# Altium PCB UmSELv1.PcbDoc (part 1 of 2) (continued)
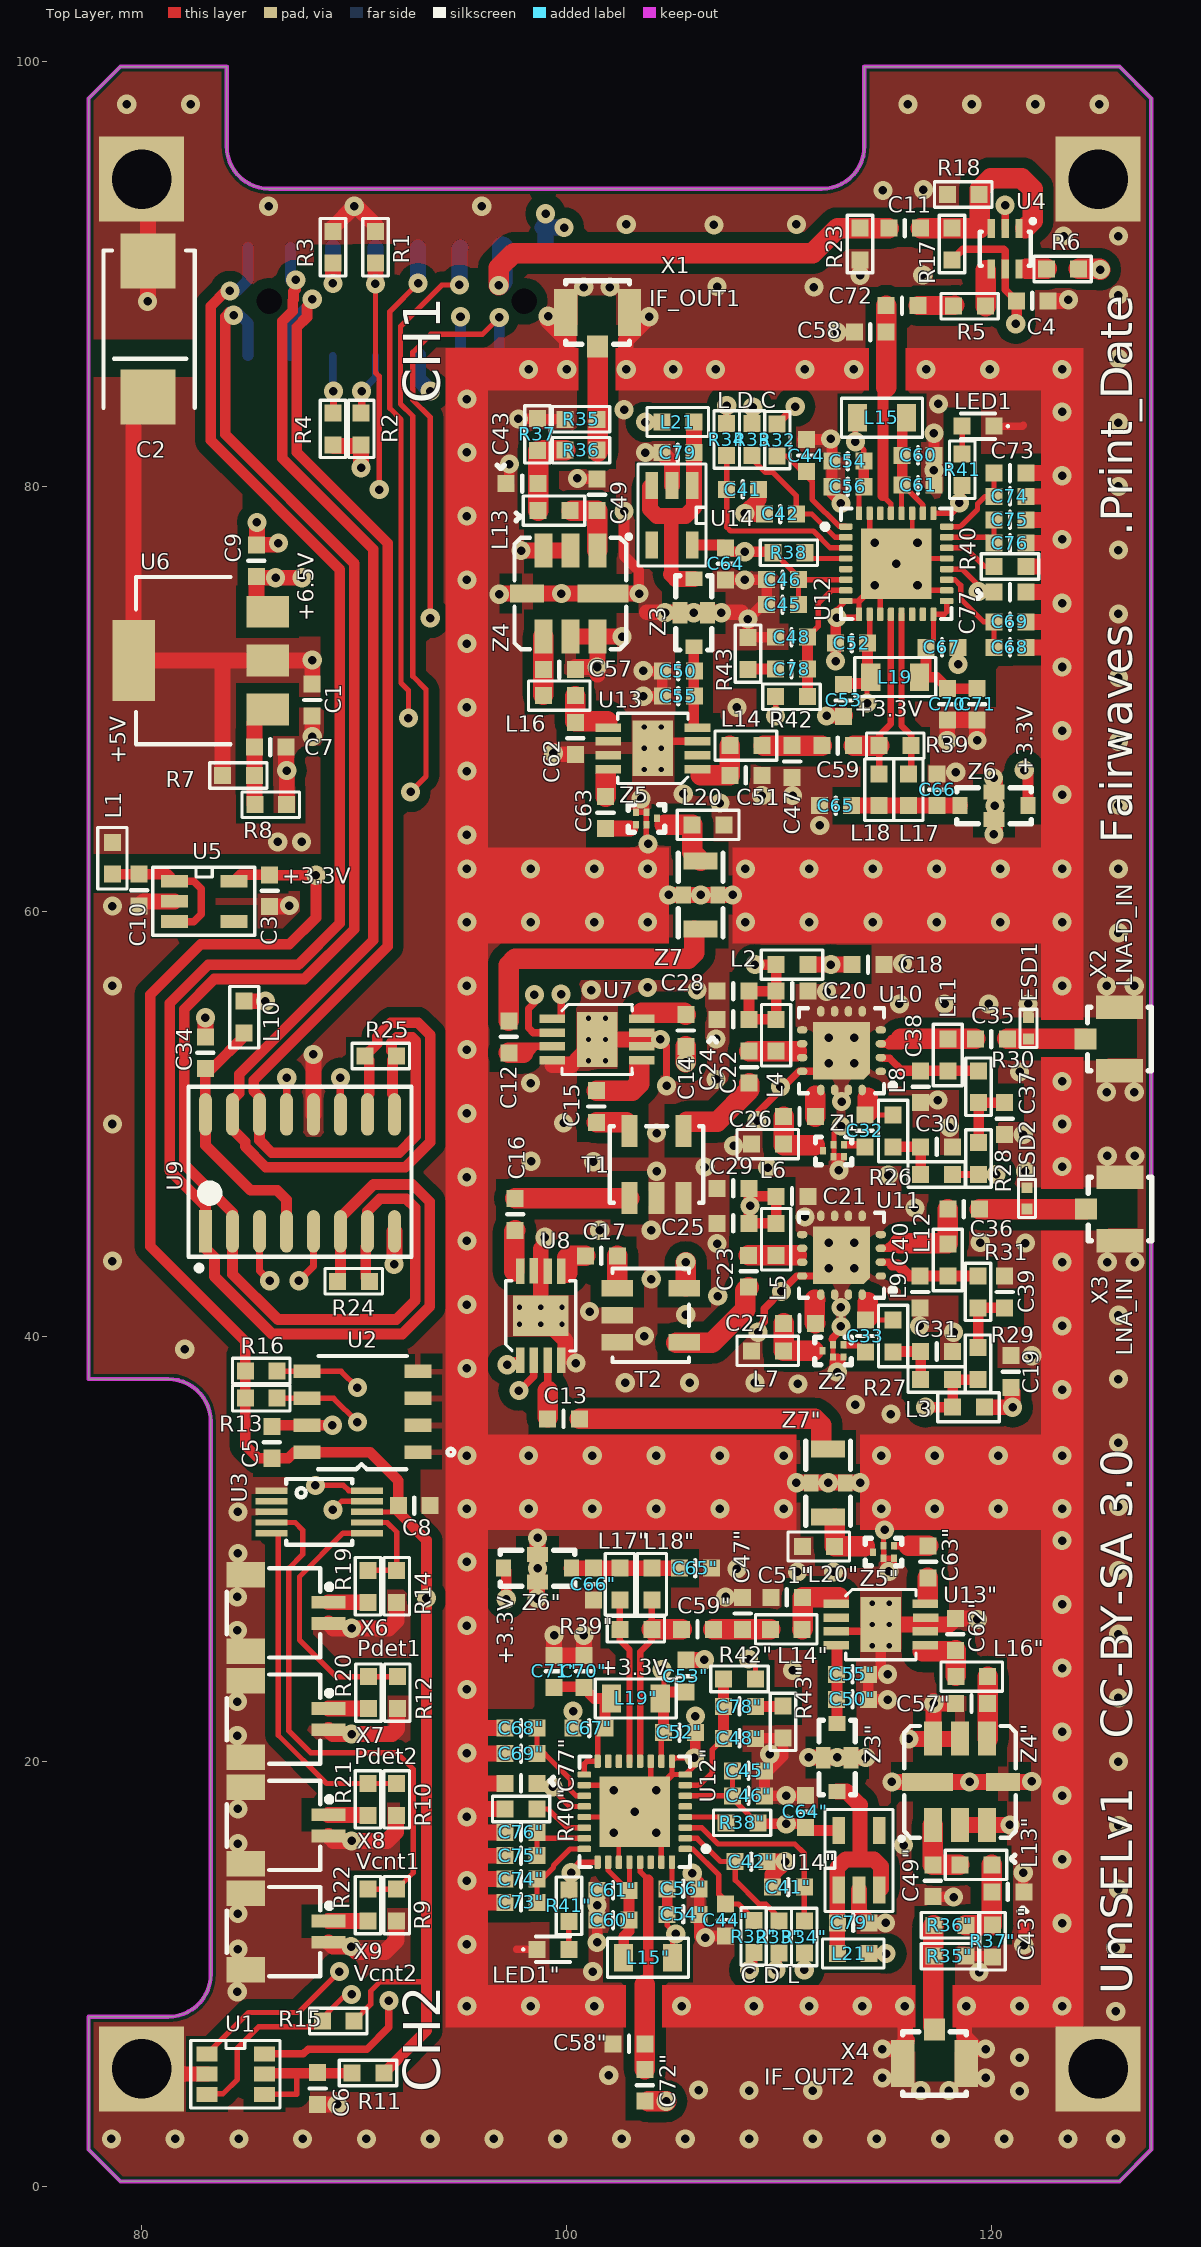
[diagram p0: Top Layer view]
## Components (designator, comment, footprint, x,y, rotation, side; value= is the part's Value field where it differs from the comment)
C1 "0.1" C0603-Phillips 88.025,69.95 r90 top
C2 "100uF" cd7343 80.3,87.4 r270 top
C3 "1uF" C0603-Phillips 86.025,60.975 r90 top
C4 "0.1" C0603-Phillips 121.9,88.725 r180 top
C5 "0.1" C0603-Phillips 86.125,35.025 r270 top
C6 "0.1" C0603-Phillips 88.275,4.625 r90 top
C7 "0.01" C0603-Phillips 86.05,67.725 r180 top
C8 "0.1" C0603-Phillips 92.825,32.05 r0 top
C9 "1uF" C0603-Phillips 85.4,76.5 r270 top
C10 "1uF" C0603-Phillips 79.875,61 r90 top
C11 "0.01" C0603-Phillips 115.9,92.15 r0 top
C12 "47p" C0603-PHILLIPS 97.275,54.1 r270 top
C13 "47p" C0603-PHILLIPS 99.85,36.125 r180 top
C14 "47p" C0603-PHILLIPS 105.6,54.4 r270 top
C15 "47p" C0603-PHILLIPS 101.4,50.825 r270 top
C16 "47p" C0603-PHILLIPS 97.575,45.75 r90 top
C17 "47p" C0603-PHILLIPS 101.625,43.8 r0 top
C18 "0.1" C0603-Phillips 114.175,57.5 r180 top
C19 "0.1" C0603-Phillips 120.9,38.35 r270 top
C20 "47p" C0603-PHILLIPS 110.6,56.25 r180 top
C21 "47p" C0603-PHILLIPS 110.6,46.6 r180 top
C22 "47p" C0603-PHILLIPS 108.575,52.675 r90 top
C23 "47p" C0603-PHILLIPS 108.55,43.075 r90 top
C24 "0.1" C0603-Phillips 107.825,54.925 r0 top
C25 "0.1" C0603-Phillips 107.825,45.325 r0 top
C26 "47p" C0603-PHILLIPS 110.95,50.35 r180 top
C27 "47p" C0603-PHILLIPS 110.95,40.625 r180 top
C28 "4.7uF" C0603-Phillips 107.825,56.25 r0 top
C29 "4.7uF" C0603-Phillips 107.825,46.975 r0 top
C30 "47p" C0603-PHILLIPS 117.4,48.925 r0 top
C31 "47p" C0603-PHILLIPS 117.4,39.3 r0 top
C32 "47p" C0603-PHILLIPS 114.025,49.675 r90 top
C33 "47p" C0603-PHILLIPS 114.05,40.025 r90 top
C34 "0.1" C0603-Phillips 83,53.35 r270 top
C35 "47p" C0603-PHILLIPS 119.975,54 r0 top
C36 "47p" C0603-PHILLIPS 118.675,46 r0 top
C37 "4.7uF" C0603-Phillips 120.6,50.25 r270 top
C38 "4.7uF" C0603-PHILLIPS 116.65,51.75 r270 top
C39 "4.7uF" C0603-Phillips 120.6,42.1 r90 top
C40 "4.7uF" C0603-PHILLIPS 116.625,42.1 r270 top
C41 "10p" C0603-Phillips 108.275,79.85 r180 top
"C41\"" "10p" C0603-Phillips 110.425,14.1 r0 top (schematic designator C41)
C42 "10p" C0603-Phillips 110.05,78.7 r0 top
"C42\"" "10p" C0603-Phillips 108.675,15.3 r180 top (schematic designator C42)
C43 "3.3pF" C0603-Phillips 97.9,80.13 r0 top
"C43\"" "3.3pF" C0603-Phillips 120.75,13.87 r180 top (schematic designator C43)
C44 "10p" C0603-Phillips 111.275,81.45 r270 top
"C44\"" "10p" C0603-Phillips 107.475,12.55 r90 top (schematic designator C44)
C45 "0.1" C0603-Phillips 110.15,74.43 r0 top
"C45\"" "0.1" C0603-Phillips 108.55,19.57 r180 top (schematic designator C45)
C46 "10p" C0603-Phillips 110.15,75.605 r0 top
"C46\"" "10p" C0603-Phillips 108.55,18.395 r180 top (schematic designator C46)
C47 "9.1p" C0603-Phillips 110.6,67.05 r270 top
"C47\"" "9.1p" C0603-Phillips 108.275,26.975 r90 top (schematic designator C47)
C48 "3300p" C0603-Phillips 110.575,72.905 r0 top
"C48\"" "3300p" C0603-Phillips 108.125,21.095 r180 top (schematic designator C48)
C49 "??" C0603-Phillips 101.425,79.605 r270 top
"C49\"" "??" C0603-Phillips 117.225,14.4 r90 top (schematic designator C49)
C50 "1000p" C0603-Phillips 105.25,71.305 r180 top
"C50\"" "1000p" C0603-Phillips 113.44,22.935 r0 top (schematic designator C50)
C51 "9.1p" C0603-Phillips 108.425,66.4 r0 top
"C51\"" "9.1p" C0603-Phillips 110.35,27.725 r180 top (schematic designator C51)
C52 "10p" C0603-Phillips 113.4,72.625 r180 top
"C52\"" "10p" C0603-Phillips 105.3,21.375 r0 top (schematic designator C52)
C53 "0.1" C0603-Phillips 113.025,69.925 r270 top
"C53\"" "0.1" C0603-Phillips 105.6,24.025 r90 top (schematic designator C53)
C54 "0.1" C0603-Phillips 113.225,81.18 r180 top
"C54\"" "0.1" C0603-Phillips 105.475,12.82 r0 top (schematic designator C54)
C55 "47p" C0603-Phillips 105.25,70.13 r180 top
"C55\"" "47p" C0603-Phillips 113.44,24.11 r0 top (schematic designator C55)
C56 "10p" C0603-Phillips 113.225,79.98 r180 top
"C56\"" "10p" C0603-Phillips 105.475,14.02 r0 top (schematic designator C56)
C57 "??" C0603-Phillips 99.65,71.375 r180 top
"C57\"" "??" C0603-Phillips 119.04,22.74 r0 top (schematic designator C57)
C58 "47p" C0603-Phillips 114.275,87.25 r0 top
"C58\"" "47p" C0603-Phillips 102.925,6.725 r0 top (schematic designator C58)
C59 "100p" C0603-Phillips 112.75,67.8 r180 top
"C59\"" "100p" C0603-Phillips 106.15,26.225 r0 top (schematic designator C59)
C60 "0.1" C0603-Phillips 116.525,81.455 r0 top
"C60\"" "0.1" C0603-Phillips 102.175,12.545 r180 top (schematic designator C60)
C61 "10p" C0603-Phillips 116.525,80.055 r0 top
"C61\"" "10p" C0603-Phillips 102.175,13.945 r180 top (schematic designator C61)
C62 "3.3pF" C0603-Phillips 100.4,68.145 r90 top
"C62\"" "3.3pF" C0603-Phillips 118.29,25.99 r270 top (schematic designator C62)
C63 "47p" C0603-Phillips 101.825,64.65 r270 top
"C63\"" "47p" C0603-Phillips 117,29.4 r90 top (schematic designator C63)
C64 "1uF" C0603-Phillips 107.475,76.35 r90 top
"C64\"" "1uF" C0603-Phillips 111.225,17.65 r270 top (schematic designator C64)
C65 "100p" C0603-Phillips 112.65,64.975 r180 top
"C65\"" "100p" C0603-Phillips 106.05,29.1 r0 top (schematic designator C65)
C66 "0.1" C0603-Phillips 117.425,65.725 r270 top
"C66\"" "0.1" C0603-Phillips 101.25,28.35 r90 top (schematic designator C66)
C67 "10p" C0603-Phillips 117.65,72.425 r0 top
"C67\"" "10p" C0603-Phillips 101.05,21.575 r180 top (schematic designator C67)
C68 "10p" C0603-Phillips 120.85,72.425 r180 top
"C68\"" "10p" C0603-Phillips 97.85,21.575 r0 top (schematic designator C68)
C69 "0.1" C0603-Phillips 120.85,73.625 r180 top
"C69\"" "0.1" C0603-Phillips 97.85,20.375 r0 top (schematic designator C69)
C70 "0.1" C0603-Phillips 117.9,69.75 r270 top
"C70\"" "0.1" C0603-Phillips 100.8,24.25 r90 top (schematic designator C70)
C71 "1uF" C0603-Phillips 119.3,69.75 r90 top
"C71\"" "1uF" C0603-Phillips 99.4,24.25 r270 top (schematic designator C71)
C72 "1000p" C0603-Phillips 115.775,88.5 r0 top
"C72\"" "1000p" C0603-Phillips 103.675,4.775 r270 top (schematic designator C72)
C73 "0.1" C0603-Phillips 120.85,80.625 r0 top
"C73\"" "0.1" C0603-Phillips 97.85,13.375 r180 top (schematic designator C73)
C74 "10p" C0603-Phillips 120.85,79.525 r0 top
"C74\"" "10p" C0603-Phillips 97.85,14.475 r180 top (schematic designator C74)
C75 "0.1" C0603-Phillips 120.85,78.425 r0 top
"C75\"" "0.1" C0603-Phillips 97.85,15.575 r180 top (schematic designator C75)
C76 "10p" C0603-Phillips 120.85,77.325 r0 top
"C76\"" "10p" C0603-Phillips 97.85,16.675 r180 top (schematic designator C76)
C77 "1500p" C0603-Phillips 120.85,75.025 r0 top
"C77\"" "1500p" C0603-Phillips 97.85,18.975 r180 top (schematic designator C77)
C78 "0.047uF" C0603-Phillips 110.575,71.405 r0 top
"C78\"" "0.047uF" C0603-Phillips 108.125,22.595 r180 top (schematic designator C78)
C79 "1uF" C0603-Phillips 105.225,81.584 r0 top
"C79\"" "1uF" C0603-Phillips 113.475,12.416 r180 top (schematic designator C79)
ESD1 "SESD0402X1BN-0010-098" R0402-Phillips 121.725,54.5 r270 top
ESD2 "SESD0402X1BN-0010-098" R0402-Phillips 121.65,46.5 r270 top
L1 "TI160808U601" Ti160808-Phillips 78.625,62.5 r270 top
L2 "TI160808U601" Ti160808-Phillips 110.6,57.5 r180 top
L3 "TI160808U601" Ti160808-Phillips 118.9,36.675 r180 top
L4 "39nH" TF160808-Phillips 109.85,54.175 r270 top
L5 "39nH" TF160808-Phillips 109.85,44.575 r270 top
L6 "??" TF160808-Phillips 109.45,49.05 r180 top
L7 "??" TF160808-Phillips 109.45,39.325 r180 top
L8 "39nH" TF160808-Phillips 115.35,49.675 r90 top
L9 "39nH" TF160808-Phillips 115.35,40.025 r90 top
L10 "TI160808U601" Ti160808-Phillips 84.825,55.025 r90 top
L11 "18nH" TF160808-Phillips 117.925,53.25 r90 top
L12 "18nH" TF160808-Phillips 117.925,43.6 r90 top
L13 "82nH" TF160808-Phillips 99.4,78.855 r0 top
"L13\"" "82nH" TF160808-Phillips 119.25,15.145 r180 top (schematic designator L13)
L14 "12nH" TF160808-Phillips 108.425,67.8 r0 top
"L14\"" "12nH" TF160808-Phillips 110.325,26.225 r180 top (schematic designator L14)
L15 "TI201209U601" TI2012-Phillips 114.825,83.225 r0 top
"L15\"" "TI201209U601" TI2012-Phillips 103.825,10.775 r180 top (schematic designator L15)
L16 "82nH" TF160808-Phillips 99.65,70.15 r0 top
"L16\"" "82nH" TF160808-Phillips 119.05,24 r180 top (schematic designator L16)
L17 "82nH" TF160808-Phillips 116.075,65.725 r270 top
"L17\"" "82nH" TF160808-Phillips 102.5,28.35 r90 top (schematic designator L17)
L18 "82nH" TF160808-Phillips 114.7,65.725 r270 top
"L18\"" "82nH" TF160808-Phillips 104,28.35 r90 top (schematic designator L18)
L19 "TI201209U601" TI2012-Phillips 115.45,71.025 r0 top
"L19\"" "TI201209U601" TI2012-Phillips 103.25,22.975 r180 top (schematic designator L19)
L20 "??" TF160808-Phillips 106.65,64.075 r0 top
"L20\"" "??" TF160808-Phillips 111.85,30.125 r180 top (schematic designator L20)
L21 "TI160808U601" Ti160808-Phillips 105.225,83.025 r0 top
"L21\"" "TI160808U601" Ti160808-Phillips 113.475,10.975 r180 top (schematic designator L21)
LED1 "LS Q976-NR-1" LED-0603y 119.35,82.83 r180 top
"LED1\"" "LS Q976-NR-1" LED-0603y 99.35,11.17 r0 top (schematic designator LED1)
R1 "10k" R0603-PHILLIPS 91,91.25 r270 top
R2 "10k" R0603-PHILLIPS 90.325,82.7 r90 top
R3 "10k" R0603-PHILLIPS 89,91.25 r270 top
R4 "10k" R0603-PHILLIPS 89,82.7 r90 top
R5 "51" R0603-PHILLIPS 118.95,88.475 r0 top
R6 "51" R0603-PHILLIPS 123.325,90.225 r180 top
R7 "120" R0603-PHILLIPS 84.55,66.4 r0 top
R8 "360" R0603-PHILLIPS 86.075,65.025 r0 top
R9 "3k" R0603-PHILLIPS 92,13.25 r270 top
R10 "3k" R0603-PHILLIPS 92,18.225 r270 top
R11 "100" R0603-PHILLIPS 90.65,5.35 r0 top
R12 "3k" R0603-PHILLIPS 92.025,23.25 r270 top
R13 "1k" R0603-PHILLIPS 85.625,38.375 r0 top
R14 "3k" R0603-PHILLIPS 92,28.25 r270 top
R15 "1k" R0603-PHILLIPS 89.25,7.8 r0 top
R16 "1k" R0603-PHILLIPS 85.625,37.1 r0 top
R17 "10k" R0603-PHILLIPS 118.125,91.4 r90 top
R18 "10k" R0603-PHILLIPS 118.65,93.725 r180 top
R19 "27K" R0603-PHILLIPS 90.65,28.25 r270 top
R20 "27K" R0603-PHILLIPS 90.675,23.25 r270 top
R21 "27K" R0603-PHILLIPS 90.65,18.225 r270 top
R22 "27K" R0603-PHILLIPS 90.65,13.25 r270 top
R23 "51" R0603-PHILLIPS 113.8,91.4 r270 top
R24 "100" R0603-PHILLIPS 89.975,42.6 r180 top
R25 "100" R0603-PHILLIPS 91.25,53.2 r0 top
R26 "10" R0603-PHILLIPS 117.4,47.625 r0 top
R27 "10" R0603-PHILLIPS 117.4,37.975 r0 top
R28 "6k8" R0603-PHILLIPS 119.375,48.375 r90 top
R29 "6k8" R0603-PHILLIPS 119.35,38.725 r90 top
R30 "0" R0603-PHILLIPS 119.375,51.75 r270 top
R31 "0" R0603-PHILLIPS 119.35,42.1 r270 top
R32 "100" R0603-PHILLIPS 109.9,82.175 r270 top
"R32\"" "100" R0603-PHILLIPS 108.8,11.775 r90 top (schematic designator R32)
R33 "100" R0603-PHILLIPS 108.725,82.2 r270 top
"R33\"" "100" R0603-PHILLIPS 109.975,11.75 r90 top (schematic designator R33)
R34 "100" R0603-PHILLIPS 107.525,82.2 r270 top
"R34\"" "100" R0603-PHILLIPS 111.175,11.75 r90 top (schematic designator R34)
R35 "430" R0603-PHILLIPS 100.675,83.15 r0 top
"R35\"" "430" R0603-PHILLIPS 118.025,10.85 r180 top (schematic designator R35)
R36 "12" R0603-PHILLIPS 100.675,81.7 r180 top
"R36\"" "12" R0603-PHILLIPS 118.025,12.3 r0 top (schematic designator R36)
R37 "430" R0603-PHILLIPS 98.621,82.445 r270 top
"R37\"" "430" R0603-PHILLIPS 120.029,11.555 r90 top (schematic designator R37)
R38 "10k" R0603-PHILLIPS 110.45,76.875 r0 top
"R38\"" "10k" R0603-PHILLIPS 108.25,17.125 r180 top (schematic designator R38)
R39 "100" R0603-PHILLIPS 115.45,67.8 r0 top
"R39\"" "100" R0603-PHILLIPS 103.25,26.225 r180 top (schematic designator R39)
R40 "4k7" R0603-PHILLIPS 120.85,76.225 r0 top
"R40\"" "4k7" R0603-PHILLIPS 97.85,17.775 r180 top (schematic designator R40)
R41 "1k" R0603-PHILLIPS 118.6,80.78 r90 top
"R41\"" "1k" R0603-PHILLIPS 100.1,13.22 r270 top (schematic designator R41)
R42 "620" R0603-PHILLIPS 110.575,70.105 r180 top
"R42\"" "620" R0603-PHILLIPS 108.125,23.895 r0 top (schematic designator R42)
R43 "300" R0603-PHILLIPS 108.525,72.13 r90 top
"R43\"" "300" R0603-PHILLIPS 110.175,21.87 r270 top (schematic designator R43)
T1 "SBTC-2-20L" AT1030 104.225,48.1 r180 top
T2 "SBTC-2-20L" AT1030 103.95,41 r90 top
U1 "TMP102" PDSO-G6 84.425,5.3 r270 top
U2 "24LC024SN" SOIC8 90.395,36.46 r180 top
U3 "ADS1015" TSSOP-SPDSO-G10 88.35,31.75 r0 top
U4 "NC7WZ16P6X" SC70-6LD(SOT363) 120.625,91.175 r270 top
U5 "ADP151AUJZ-3.3" SOT-23-5[3.1x1.8/0.95] 82.925,60.475 r270 top
U6 "LD1117S" SOT-223-1 85.925,69.5 r90 top
U7 "HMC435MS8G" MS8G 101.425,53.975 r270 top
U8 "HMC435MS8G" MS8G 98.775,40.975 r0 top
U9 "DS90C032/FIN1532" SOIC16 87.45,47.7 r90 top
U10 "MGA13?16" "MGA13X16(GND NC LEGS)" 112.925,53.45 r180 top
U11 "MGA13?16" "MGA13X16(GND NC LEGS)" 112.925,43.825 r180 top
U12 "ADF4350BCPZ" CP-32-2 115.5,76.355 r0 top
"U12\"" "ADF4350BCPZ" CP-32-2 103.2,17.645 r180 top (schematic designator U12)
U13 "HMC483_5MS8G" MS8G 104.05,67.675 r90 top
"U13\"" "HMC483_5MS8G" MS8G 114.775,26.45 r270 top (schematic designator U13)
U14 "ADP151AUJZ-3.3" SOT-23-5[3.1x1.8/0.95] 104.95,78.65 r180 top
"U14\"" "ADP151AUJZ-3.3" SOT-23-5[3.1x1.8/0.95] 113.75,15.35 r0 top (schematic designator U14)
X1 "1566230-1" U_FL 101.45,88.175 r90 top
X2 "1566230-1" U_FL 126,54 r0 top
X3 "1566230-1" U_FL 126.025,46 r0 top
X4 "1566230-1" U_FL 117.3,5.8 r270 top
X5 "NPPN082FFKP(S)-RC" NPPN082FFKP(S) 92,88.7 r0 bottom locked
X6 "SM02B-SRSS-TB" SM02B-SRSS-TB 86,27 r180 top
X7 "SM02B-SRSS-TB" SM02B-SRSS-TB 86,22 r180 top
X8 "SM02B-SRSS-TB" SM02B-SRSS-TB 86,17 r180 top
X9 "SM02B-SRSS-TB" SM02B-SRSS-TB 86,12 r180 top
Z1 "FAR-F5KA-897" SAW-1.4x1x0.5mm 112.55,48.737 r0 top
Z2 "FAR-F5KA-897" SAW-1.4x1x0.5mm 112.525,39.325 r0 top
Z3 "NFM3DCC223R1H3" NFM3DC 105.975,74.05 r90 top
"Z3\"" "NFM3DCC223R1H3" NFM3DC 112.715,20.19 r270 top (schematic designator Z3)
Z4 "TB0130A" DCC8_5x5 100.17,74.957 r270 top
"Z4\"" "TB0130A" DCC8_5x5 118.5,19.05 r90 top (schematic designator Z4)
Z5 "FAR-F5KA-897" SAW-1.4x1x0.5mm 103.75,64.375 r180 top
"Z5\"" "FAR-F5KA-897" SAW-1.4x1x0.5mm 114.9,29.862 r0 top (schematic designator Z5)
Z6 "NFM3DCC223R1H3" NFM3DC 120.1,64.975 r180 top
"Z6\"" "NFM3DCC223R1H3" NFM3DC 98.625,29.1 r0 top (schematic designator Z6)
Z7 "HFCN-740+" LFCN-HFCN 106.3,60.775 r270 top
"Z7\"" "HFCN-740+" LFCN-HFCN 112.3,33.1 r90 top (schematic designator Z7)

## Footprints (in the part's own frame and the unit in brackets; to place one, negate y for a bottom-side part, rotate by r counter-clockwise, add the part's x,y. Pads: shape width x height; smd on the part's side, far side on the other; paste and mask are expansions set on the pad)
AT1030 [mm] "MiniCircuits DBTC"
  rect 0.76x1.5 smd: 1(-1.27,1.575) 2(0,1.575) 3(1.27,1.575) 4(1.27,-1.575) 6(-1.27,-1.575)
  silkscreen extent -2.2,-1.8 2.2,1.8, body extent -2,-1.7 2,1.7, height 3
C0603-Phillips [mm]
  rect 0.8x0.8 smd: 1(-0.75,0) 2(0.75,0)
  silkscreen extent 0,-0.38 0,0.38, body extent -0.8,-0.4 0.8,0.4, height 0.3
C0603-PHILLIPS [mm]
  rect 0.8x0.8 smd: 1(-0.75,0) 2(0.75,0)
  silkscreen extent 0,-0.38 0,0.38, body extent -0.8,-0.4 0.8,0.4, height 0.3
cd7343 [mm]
  rect 2.6x2.6 smd: 1(3.2,0) 2(-3.2,0)
  silkscreen extent -3.7,-2.1 3.7,2.2, body extent -3.51,-2.04 3.5,2.03, height 3.1
CP-32-2 [mm] "QFN-32 VQ_LFCSP (Analog Devices)"
  rect 3.3x3.3 smd paste-2: 0(0,0)
  rrect50% 0.65x0.3 smd mask+0.05: 1(-2.375,1.75) 2(-2.375,1.25) 3(-2.375,0.75) 4(-2.375,0.25) 5(-2.375,-0.25) 6(-2.375,-0.75) 7(-2.375,-1.25) 8(-2.375,-1.75) 17(2.375,-1.75) 18(2.375,-1.25) 19(2.375,-0.75) 20(2.375,-0.25) 21(2.375,0.25) 22(2.375,0.75) 23(2.375,1.25) 24(2.375,1.75)
  rrect50% 0.3x0.65 smd mask+0.05: 9(-1.75,-2.375) 10(-1.25,-2.375) 11(-0.75,-2.375) 12(-0.25,-2.375) 13(0.25,-2.375) 14(0.75,-2.375) 15(1.25,-2.375) 16(1.75,-2.375) 25(1.75,2.375) 26(1.25,2.375) 27(0.75,2.375) 28(0.25,2.375) 29(-0.25,2.375) 30(-0.75,2.375) 31(-1.25,2.375) 32(-1.75,2.375)
  silkscreen extent -3.47,-2.6 2.6,2.6, body extent -2.55,-2.55 2.55,2.65, height 1.01
DCC8_5x5 [mm] "SAW"
  rect 1.6x0.84 smd: 1(-2.032,1.27) 2(-2.032,0) 3(-2.032,-1.27)
  rect 0.84x1.6 smd mask+0.1: 4(0,-2.032)
  rect 1.6x0.84 smd mask+0.1: 5(2.032,-1.27) 6(2.032,0) 7(2.032,1.27)
  rect 0.84x2.4 smd mask+0.1: 8(0,1.524)
  silkscreen extent -2.77,-2.63 2.62,2.85, body extent -2.51,-2.51 2.51,2.5, height 1.7
LED-0603y [mm] "жёлтый"
  rect 0.8x0.8 smd: 1(-0.75,0) 2(0.75,0)
  silkscreen extent -1.45,-0.6 0.8,0.6, body extent -1.09,-0.4 0.92,0.4, height 0.8
LFCN-HFCN [mm] "Фильтр электромагнитных помех"
  rect 0.8x1.6 smd: 1(-1.6,0) 3(1.6,0)
  rect 0.8x0.7 smd: 2(0,0.8) 2(0,-0.8)
  silkscreen extent -1.98,-1.05 1.98,1.05, body extent -1.6,-0.8 1.6,0.8, height 0.94
"MGA13X16(GND NC LEGS)" [mm] "QFN, 16-Leads, Body 4,0x4,0mm (SQ), Pitch 0,65mm, IPC High Density"
  oval 0.5x0.35 smd: 0(-1.85,-0.975) 0(-1.85,0.975) 0(1.85,-0.975) 0(1.85,0.975) 2(-1.85,0.325) 3(-1.85,-0.325) 10(1.85,-0.325) 11(1.85,0.325)
  oval 0.35x0.5 smd: 0(-0.975,-1.85) 0(-0.325,1.85) 0(-0.325,-1.85) 0(0.325,1.85) 0(0.325,-1.85) 0(0.975,-1.85) 13(0.975,1.85) 16(-0.975,1.85)
  oct 1.15x1.15 smd paste+0 mask+0: 0(-0.775,0.775)
  rect 2.7x2 smd paste+0 mask+0: 0(0,-0.35)
  rect 2x2.7 smd paste+0 mask+0: 0(0.35,0)
  silkscreen extent -2.54,-2 2,2, body extent -2,-2 2,2, height 0.86
MS8G [mm] "Hittite 8 Leg Grounded microSOIC"
  rect 2.6x1.9 smd paste-0.1 mask+0: 0(0,0)
  rect 0.4x1.2 smd mask+0.075: 1(-0.975,-2.1) 2(-0.325,-2.1) 3(0.325,-2.1) 4(0.975,-2.1) 5(0.975,2.1) 6(0.325,2.1) 7(-0.325,2.11) 8(-0.975,2.1)
  silkscreen extent -1.65,-1.65 1.65,1.65, body extent -1.5,-2.45 1.5,2.45, height 0.85
NFM3DC [mm] "Фильтр электромагнитных помех"
  rect 0.7x0.8 smd: 1(-1.6,0) 3(1.6,0)
  rect 1x0.7 smd: 2(0,0.65) 2(0,-0.65)
  silkscreen extent -1.75,-0.85 1.75,0.85, body extent -1.6,-0.7 1.6,0.7, height 0.55
NPPN082FFKP(S) [mm] "SMD 2mm female connector for SBH21 type"
  round 1 hole 1.2 unplated mask+0.15: 0(-6,0) 0(6,0)
  rect 1x2.54 smd: 1(-7,2.544) 2(-7,-2.544) 3(-5,2.544) 4(-5,-2.544) 5(-3,2.544) 6(-3,-2.544) 7(-1,2.544) 8(-1,-2.544) 9(1,2.544) 10(1,-2.544) 11(3,2.544) 12(3,-2.544) 13(5,2.544) 14(5,-2.544) 15(7,2.544) 16(7,-2.544)
  silkscreen extent -8.62,-4.03 8.13,4.03, body extent -8,-3.25 8,3.25, height 4.4
PDSO-G6 [mm]
  rect 0.7x1 smd mask+0.05: 1(-0.95,-1.35) 2(0,-1.35) 3(0.95,-1.35) 4(0.95,1.35) 5(0,1.35) 6(-0.95,1.35)
  silkscreen extent -1.59,-2.11 1.59,2.08, body extent -1.4,-1.2 1.39,1.23, height 1.09
R0402-Phillips [mm]
  rect 0.5x0.5 smd: 1(-0.5,0) 2(0.5,0)
  silkscreen extent -0.9,-0.4 0.9,0.4, body extent -0.5,-0.3 0.5,0.3, height 0.2
R0603-PHILLIPS [mm]
  rect 0.8x0.8 smd: 1(-0.75,0) 2(0.75,0)
  silkscreen extent -1.35,-0.6 1.35,0.6, body extent -0.8,-0.4 0.8,0.4, height 0.3
SAW-1.4x1x0.5mm [mm] "SAW/FBAR Filter"
  rect 0.28x0.35 smd paste+0 mask+0.05: 1(-0.5,0) 2(0,-0.288) 3(0.5,-0.288) 4(0.5,0.288) 5(0,0.288)
  silkscreen extent -0.85,-0.65 0.85,0.65, body extent -0.7,-0.5 0.7,0.5, height 0.51
SC70-6LD(SOT363) [mm]
  rect 0.9x0.35 smd: 1(-0.95,0.65) 2(-0.95,0) 3(-0.95,-0.65) 4(0.95,-0.65) 5(0.95,0) 6(0.95,0.65)
  silkscreen extent -1.4,-1.2 0.8,1.4, body extent -1.02,-1 1.08,1, height 0.92
SM02B-SRSS-TB [mm] "Connector SMD Side Entry"
  rect 1.8x1.2 smd: 0(1.1,1.8) 0(1.1,-1.8)
  rect 1.6x0.6 smd: 1(-2.8,-0.5) 2(-2.8,0.5)
  silkscreen extent -2.95,-2.1 2,2.1, body extent -3.09,-1.99 1.9,1.99, height 3
SOIC8 [mm]
  rect 1.27x0.64 smd: 1(-2.605,1.905) 2(-2.605,0.635) 3(-2.605,-0.635) 4(-2.605,-1.905) 5(2.605,-1.905) 6(2.605,-0.635) 7(2.605,0.635) 8(2.605,1.905)
  silkscreen extent -4.31,-2.63 2.1,2.7, body extent -2.84,-2.45 2.94,2.45, height 1.45
SOIC16 [mm] "SOIC, 16-Leads, Body 10.3x7.5mm, Pitch 1.27mm, IPC Medium Density"
  rect 2x0.6 smd: 1(-2.75,4.445)
  oval 2x0.6 smd: 2(-2.75,3.175) 3(-2.75,1.905) 4(-2.75,0.635) 5(-2.75,-0.635) 6(-2.75,-1.905) 7(-2.75,-3.175) 8(-2.75,-4.445) 9(2.75,-4.445) 10(2.75,-3.175) 11(2.75,-1.905) 12(2.75,-0.635) 13(2.75,0.635) 14(2.75,1.905) 15(2.75,3.175) 16(2.75,4.445)
  silkscreen extent -4.6,-5.25 4.05,5.25, body extent -2.9,-4.95 2.9,4.9, height 1.75
SOT-23-5[3.1x1.8/0.95] [mm] "SOT-25"
  rect 0.6x1.27 smd: 1(-0.949,-1.385) 2(0.001,-1.385) 3(0.951,-1.385) 4(0.951,1.409) 5(-0.949,1.409)
  silkscreen extent -1.6,-2.4 1.6,2.4, body extent -1.45,-1.4 1.45,1.4, height 1.04
SOT-223-1 [mm] "SOT223 на 3 пина"
  rect 1.5x2 smd: 1(0,0) 2(2.3,0) 3(4.6,0)
  rect 3.8x2 smd: 2(2.3,6.3)
  silkscreen extent -1.64,1.75 6.24,6.19, body extent -0.95,-0.2 5.55,6.7, height 1.6
TF160808-Phillips [mm]
  rect 0.8x0.8 smd: 1(-0.75,0) 2(0.75,0)
  silkscreen extent -1.45,-0.69 1.45,0.69, body extent -0.86,-0.45 0.85,0.45, height 0.9
TI2012-Phillips [mm]
  rect 0.9x1.3 smd: 1(-1.15,0) 2(1.15,0)
  silkscreen extent -1.91,-0.92 1.91,0.92, body extent -1.32,-0.69 1.23,0.67, height 1
Ti160808-Phillips [mm]
  rect 0.8x0.8 smd: 1(-0.75,0) 2(0.75,0)
  silkscreen extent -1.45,-0.69 1.45,0.69, body extent -0.86,-0.45 0.85,0.45, height 0.9
TSSOP-SPDSO-G10 [mm] "Plastic 0.5mm pitch SOP"
  rect 1.5x0.3 smd mask+0.05: 1(-2.25,1) 2(-2.25,0.5) 3(-2.25,0) 4(-2.25,-0.5) 5(-2.25,-1) 6(2.25,-1) 7(2.25,-0.5) 8(2.25,0) 9(2.25,0.5) 10(2.25,1)
  silkscreen extent -1.55,-1.55 1.55,1.55, body extent -2.5,-1.5 2.5,1.5, height 1.1
U_FL [mm] "Ultraminiature Coax Connector (UMCC)"
  rect 1.05x1 smd: 1(-1.6,0)
  rect 2.2x1.1 smd: 2(0,1.5) 2(0,-1.5)
  silkscreen extent -1.5,-1.5 1.5,1.5, body extent -1.55,-1.5 1.3,1.5, height 1.25

## Part data
C1 C3 C4 C5 C6 C7 C8 C9 C10 C11 C12 C13 C14 C15 C16 C17 C18 C19 C20 C21 C22 C23 C24 C25 C26 C27 C28 C29 C30 C31 C32 C33 C34 C35 C36 C37 C38 C39 C40 C41 "C41\"" C42 "C42\"" C43 "C43\"" C44 "C44\"" C45 "C45\"" C46 "C46\"" C47 "C47\"" C48 "C48\"" C49 "C49\"" C50 "C50\"" C51 "C51\"" C52 "C52\"" C53 "C53\"" C54 "C54\"" C55 "C55\"" C56 "C56\"" C57 "C57\"" C58 "C58\"" C59 "C59\"" C60 "C60\"" C61 "C61\"" C62 "C62\"" C63 "C63\"" C64 "C64\"" C65 "C65\"" C66 "C66\"" C67 "C67\"" C68 "C68\"" C69 "C69\"" C70 "C70\"" C71 "C71\"" C72 "C72\"" C73 "C73\"" C74 "C74\"" C75 "C75\"" C76 "C76\"" C77 "C77\"" C78 "C78\"" C79 "C79\"": library part C0603, "Capacitor"
C2: library part CD7343, "Capacitor"
ESD1 ESD2: library part SESD0402X, "ESD diod bi-directional"
L1 L2 L3 L10 L21 "L21\"": library part TI160808, "Choke"
L4 L5 L6 L7 L8 L9 L11 L12 L13 "L13\"" L14 "L14\"" L16 "L16\"" L17 "L17\"" L18 "L18\"" L20 "L20\"": library part TF160808, "Coil"
L15 "L15\"" L19 "L19\"": library part TI2012_1, "Choke"
LED1 "LED1\"": library part LED0603, "LED SMD"
R1 R2 R3 R4 R5 R6 R7 R8 R9 R10 R11 R12 R13 R14 R15 R16 R17 R18 R19 R20 R21 R22 R23 R24 R25 R26 R27 R28 R29 R30 R31 R32 "R32\"" R33 "R33\"" R34 "R34\"" R35 "R35\"" R36 "R36\"" R37 "R37\"" R38 "R38\"" R39 "R39\"" R40 "R40\"" R41 "R41\"" R42 "R42\"" R43 "R43\"": library part R0603, "Resistor"
T1 T2: library part SBTC-2-10L, "Transformer"
U1 U3 U4 U7 U8 U12 "U12\"" U13 "U13\"": "IC"
U2: library part AT24CXX, "EEPROM"
U5 U14 "U14\"": library part ADP151AUJZ, "IC"
U6: library part LD1117ADJ, "IC"
U9: library part DS90C032, "IC"
U10 U11: library part MGA13116, "IC"
X1 X2 X3 X4: library part U_FL, "Connector (UMCC)"
X5: library part NPPN082FFKP(S), "Connector female 2mm SMD"
X6 X7 X8 X9: "Connector"
Z1 Z2 Z5 "Z5\"": library part "SAW 1.4x1.0-5 SMD", "SAW Filter"
Z3 "Z3\"" Z6 "Z6\"": library part NFM3DC, "EMI_FILTER"
Z4 "Z4\"": library part "SAW 5x5-8 SMD", "SAW filter"
Z7 "Z7\"": library part HFCN-2700, "High pass filter"

## Free pads (board coordinates)
  rect 4x4 hole 2.8 paste-3: 0(80,5.55) 0(80,94.45) 0(125,5.55) 0(125,94.45)

## Via types
v1: diameter 0.9, hole 0.4, Top Layer to Bottom Layer, tented both sides, 392 vias
v2: diameter 0.9, hole 0.4, Top Layer to Internal1, tented both sides, 60 vias
v3: diameter 0.5, hole 0.25, Top Layer to Bottom Layer, tented both sides, 24 vias
v4: diameter 0.7, hole 0.4, Top Layer to Bottom Layer, tented both sides, 10 vias
v5: diameter 0.8, hole 0.4, Top Layer to Bottom Layer, tented both sides, 8 vias

## Nets (pads, with @x,y where several pads share a name; then routed paths per layer and width w, separated by ;. In a path a pad name is that pad's centre, name@x,y a point inside that pad or via, vN(x,y) a via of type N, cw(c..) or ccw(c..) an arc to the next point about the centre after c; other vN are vias at no path point)
+3.3V: "Z6\".1" C3.2 C4.2 C5.2 C8.1 R11.2 R13.1 R15.2 R16.1 R17.1 U2.8 U3.8 U4.5 U5.5 Z6.1 | length 163.5
  Top Layer w0.25: R15.2@90,7.8 90.775,8.575 90.775,9.2 91.225,9.65 93.4,9.65 ; U3.8@90.6,31.75 C8.1@92.075,31.75
  Top Layer w0.35: R17.1@118.125,90.65 118.625,91.15 120.55,91.15 120.625,91.075 U4.5@120.625,90.225 120.625,89.25 C4.2@121.15,88.725
  Top Layer w0.5: U5.5@84.334,61.424 84.635,61.725 C3.2@86.025,61.725 86.05,61.7 v2(88.2,61.7) 88.2,59.7 86.95,58.45 82.775,58.45 80.4,56.075 80.4,44.25 84.875,39.775 R13.1@84.875,38.375 R16.1@84.875,37.1 84.875,34.881 85.481,34.275 C5.2@86.125,34.275 86.9,34.275 87.18,34.555 U2.8@87.79,34.555 90.745,34.555 92.075,33.225 C8.1@92.075,32.05 92.075,31.75 93.4,30.425 v2(93.4,27.7) 93.4,9.65 93.4,7.35 R11.2@91.4,5.35 ; 97.025,29.1 97.15,28.975 v2(97.15,27.65) v2@97.15,27.6 ; v2(121.125,87.65) 121.175,87.7 C4.2@121.175,88.75 ; v2(121.525,66.65) 121.7,66.475 Z6.1@121.7,64.975
  Internal1 w0.5: v2(88.2,61.7) 91.3,61.7 94.175,64.575 94.175,70.625 94.75,71.2 97.1,71.2 99.85,73.95 103.205,73.95 104.986,72.169 104.986,70.064 108.225,66.825 114.975,66.825 117.3,69.15 121.525,69.15 ; v2(93.4,27.7) 97,27.7 v2@97.15,27.55 ; v2(121.125,87.65) 121.525,87.25 121.525,69.15 ; v2(121.525,66.65) 121.525,69.15
+3.3VA: C45.2 C46.2 C52.1 C53.1 C54.1 C56.1 C64.2 L15.1 L19.1 R38.1 U12.6 U12.10 U12.32 U14.5 | length 37.4
  Top Layer w0.25: R38.1@109.7,76.93 110.9,75.73 C46.2@110.9,75.605 ; C45.2@110.625,74.155 C45.2@110.9,74.43 C46.2@110.9,75.605 ; C53.1@113.1,70.575 C53.1@113.1,70.725 ; U12.6@113.125,75.605 C46.2@110.9,75.605 ; L15.1@113.675,83.225 113.575,83.125 v2(113.575,82.1) 113.975,81.7 C54.1@113.975,81.18 ; U12.32@113.75,78.73 113.75,79.755 C56.1@113.975,79.98 ; v2(114.125,69.8) 114.125,70.85 L19.1@114.3,71.025 ; C52.1@114.15,72.625 114.25,72.725 U12.10@114.25,73.98
  Top Layer w0.5: U14.5@105.899,77.241 107.334,77.241 C64.2@107.475,77.1 107.65,76.925 v2(108.375,76.925) 109.695,76.925 R38.1@109.7,76.93 ; C53.1@113.1,70.725 114,70.725 L19.1@114.125,70.85 ; C56.1@113.975,79.98 C54.1@113.975,81.18 ; C52.1@114.15,72.625 114.15,71.175 L19.1@114.3,71.025
  Internal1 w0.25: v2(113.575,82.1) 108.4,76.925 v2(108.375,76.925) 111.525,73.775 111.525,71.275 113,69.8 v2(114.125,69.8)
"+3.3VA\"": "C45\".2" "C46\".2" "C52\".1" "C53\".1" "C54\".1" "C56\".1" "C64\".2" "L15\".1" "L19\".1" "R38\".1" "U12\".6" "U12\".10" "U12\".32" "U14\".5" | length 37.8
  Top Layer w0.25: 104.4,22.975 104.575,23.15 104.575,24.231 v2(104.48,24.326) ; 104.45,20.02 104.45,21.275 104.55,21.375 ; 104.725,12.82 104.725,12.3 v2(105.125,11.9) 104.975,11.75 104.975,10.775 ; 104.725,14.02 104.95,14.245 104.95,15.27 ; 105.575,18.395 107.8,18.395 ; 105.6,23.275 105.6,23.425 ; 108.075,19.845 107.8,19.57 107.8,18.395 ; 109,17.07 107.8,18.27 107.8,18.395
  Top Layer w0.5: 104.4,22.975 104.55,22.825 104.55,21.375 ; 104.575,23.15 104.7,23.275 105.6,23.275 ; 104.725,12.82 104.725,14.02 ; 109,17.07 109.005,17.075 v2(110.325,17.075) 111.05,17.075 111.225,16.9 111.366,16.759 112.801,16.759
  Internal1 w0.25: v2(104.48,24.326) 104.606,24.2 105.7,24.2 107.175,22.725 107.175,20.225 v2(110.325,17.075) 110.3,17.075 v2(105.125,11.9)
+5V: "L21\".1" C1.2 C2.1 C18.2 C19.2 L1.1 L2.1 L3.1 L10.2 L21.1 R7.1 U6.2 | length 146.8
  Top Layer w0.5: v2(103.7,83.025) L21.1@104.475,83.025 ; 114.225,10.975 v2(115.025,10.975)
  Top Layer w0.75: C2.1@80.3,84.2 79.625,83.525 U6.2@79.625,71.8 83.8,71.8 ; R7.1@83.8,66.4 83.8,71.8 ; L10.2@84.825,55.775 v2@85.85,55.775 ; C1.2@88.025,70.7 v2(88.025,71.825) 88,71.8 U6.2@85.925,71.8 83.8,71.8 ; L2.1@111.35,57.5 v2(112.425,57.5) C18.2@113.425,57.5 ; L3.1@119.65,36.675 v2(120.975,36.675) C19.2@120.975,37.4
  Internal1 w0.5: v2(88.025,71.825) 89.425,71.825 94.6,77 ; 94.6,77.05 96.175,77.05 99,79.875 99,81.075 100.375,82.45 103.125,82.45 v2(103.7,83.025)
  Internal1 w0.75: v2(87.525,63.275) v2(86.4,63.275) 85.825,62.7 v2(85.825,55.775) 88.4,55.775 90.925,58.3 106.225,58.3 108.275,56.25 110.1,56.25 111.35,57.5 v2(112.425,57.5) ; v2@112.463,57.537 114.55,55.45 114.55,49.778 118.25,46.078 118.25,42.525 119.425,41.35 119.425,38.225 v2(120.975,36.675) 121.6,36.05 121.6,23.637 117.125,19.162 117.125,12.2 115.9,10.975 v2(115.025,10.975)
+5VA: C79.2 L21.2 U14.1 U14.3 Z3.3 | length 11.3
  Top Layer w0.7: 104.913,75.863 104.913,78.6
  Top Layer w0.75: U14.3@103.925,79.961 103.925,78.925 104.25,78.6 104.913,78.6 105.575,78.6 105.975,79 C79.2@105.975,81.584 L21.2@105.975,83.025 ; 104.913,75.863 105.125,75.65 Z3.3@105.975,75.65
"+5VA\"": "C79\".2" "L21\".2" "U14\".1" "U14\".3" "Z3\".3" | length 11.3
  Top Layer w0.7: 113.787,15.4 113.787,17.963
  Top Layer w0.75: 112.715,18.59 113.16,18.59 113.787,17.963 ; 112.725,10.975 112.725,12.416 112.725,15 113.125,15.4 113.787,15.4 114.45,15.4 114.775,15.075 114.775,14.039
+6V: C9.2 U6.3 X5.16 | length 42.5
  Top Layer w0.75: U6.3@85.925,74.1 85.4,74.625 C9.2@85.4,75.75 85.45,75.7 v2(86.3,75.7) v2(87.55,75.7)
  Internal1 w0.75: v2(87.55,75.7) v2(86.3,75.7) 82.675,79.325 82.675,90.175 84.325,91.825 98.65,91.825 99,92.175 ; v1(99,92.825) 99,92.175 ; v1(99.875,92.175) 99,92.175
  Bottom Layer w0.75: X5.16@98.85,92.175 X5.16@99,92.175 ; X5.16@99,91.244 99,91.95 X5.16@99,92.175 ; v1(99,92.825) X5.16@99,92.175 ; v1(99.875,92.175) X5.16@99,92.175
CLK: "R32\".1" R3.2 R32.1 X5.6 | length 147.6
  Top Layer w0.35: v2(108.6,10.2) 108.8,10.4 108.8,11.025 108.8,11.075 ; R32.1@109.9,82.925 110.725,83.75 v2(110.75,83.75)
  Top Layer w0.75: v1(89,89.55) R3.2@89,90.5
  Internal1 w0.35: v2(108.6,10.2) 107.725,9.325 107.725,7.2 106.725,6.2 88.482,6.2 87.25,7.432 87.25,29.6 86.1,30.75 86.1,36.562 79.5,43.162 79.5,68.425 85.625,74.55 88.025,74.55 88.775,75.3 88.775,77.275 88.1,77.95 88.1,87.3 89,88.2 v1(89,89.55) 90.3,90.85 103.7,90.85 106.2,88.35 109,88.35 110.25,87.1 110.25,84.4 v2@110.75,83.9 ; v2(110.75,83.75) v2@110.75,83.85
  Bottom Layer w0.75: v1(89,89.55) X5.6@89,91.244
CLK_AUX: C11.1 R23.1 X5.14 | length 21.9
  Top Layer w0.965: v1(96.8,89.45) 96.8,90.275 97.5,90.975 111.575,90.975 112.75,92.15 R23.1@113.8,92.15 C11.1@115.15,92.15
  Bottom Layer w0.965: v1(96.8,89.45) 96.975,89.625 96.975,91.269 X5.14@97,91.244
DAT: "R33\".1" R4.2 R33.1 X5.5 | length 138.8
  Top Layer w0.35: R4.2@89,83.45 89.025,83.475 v1(89.025,84.475) ; R33.1@108.725,82.95 108.75,82.975 v2(108.75,83.725) ; v2(109.837,10.201) 109.95,10.314 109.95,11.025 109.975,11.05
  Internal1 w0.35: v2(108.75,83.725) 109.075,84.05 109.075,86.225 108.325,86.975 91.5,86.975 89.025,84.5 89.025,78.525 89.375,78.175 89.375,74.925 88.4,73.95 86.4,73.95 80.1,67.65 80.1,43.411 86.8,36.711 86.8,30.899 87.85,29.849 87.85,8.047 89.022,6.875 105.719,6.875 107.125,8.28 107.125,9.962 108.238,11.075 108.962,11.075 v2(109.837,10.201)
  Bottom Layer w0.35: X5.5@89,86.156 89,84.5 v1(89.025,84.475)
DIVSW1_N: R24.2 U9.1 U9.6 X5.2 | length 83.6
  Top Layer w0.5: v1(84.15,89.19) 83.956,89.19 83.245,88.479 83.245,82.168 89.325,76.088 89.325,59.45 87.375,57.5 83.138,57.5 81.325,55.687 81.325,47.813 83.005,46.133 U9.1@83.005,44.95 83.005,44.145 83.425,43.725 83.425,42.825 86.13,40.12 92.257,40.12 93.031,40.894 93.55,41.413 93.55,46.337 92.982,46.905 92.732,47.155 90.905,47.155 89.355,45.605 U9.6@89.355,44.95 89.355,42.73 R24.2@89.225,42.6
  Bottom Layer w0.5: v1(84.15,89.19) 84.482,89.19 85,89.708 X5.2@85,91.244
DIVSW1_P: R24.1 U9.2 U9.7 X5.1 | length 78.1
  Top Layer w0.5: v1(84.325,88.05) 84.183,88.05 84.129,88.104 84.129,88.189 83.925,87.985 83.925,82.45 90.005,76.37 90.005,59.168 87.657,56.82 83.42,56.82 82.005,55.405 82.005,48.095 84.275,45.825 U9.2@84.275,44.95 84.275,42.937 86.412,40.8 91.975,40.8 92.87,41.695 92.87,46.055 92.45,46.475 91.2,46.475 90.625,45.9 U9.7@90.625,44.95 90.625,44.225 90.55,44.225 90.55,42.775 R24.1@90.725,42.6
  Bottom Layer w0.5: v1(84.325,88.05) 84.183,88.05 84.129,88.104 84.129,88.189 84.15,88.21 84.473,88.21 85,87.683 X5.1@85,86.156
DIVSW2_N: R25.1 U9.10 U9.15 X5.4 | length 68.2
  Top Layer w0.5: v1(87.248,89.712) 87.248,89.268 87.145,89.165 87.145,88.79 87.1,88.745 87.1,88.244 86.62,87.764 86.62,81.318 90.9,77.038 90.9,58.65 84.595,52.345 84.595,51.445 84.275,51.125 U9.15@84.275,50.45 84.275,49.75 84.865,49.16 84.865,48.948 85.843,47.97 92.395,47.97 93.575,49.15 93.575,54.187 93.007,54.755 91.718,54.755 91.076,54.113 91.076,53.776 R25.1@90.5,53.2 90.7,53 U9.10@90.7,51.425
  Bottom Layer w0.5: X5.4@87,91.244 87,89.708 87.244,89.708 v1(87.248,89.712)
DIVSW2_P: R25.2 U9.9 U9.14 X5.3 | length 63.7
  Top Layer w0.5: v1(88.025,88.8) 88.025,88.708 87.78,88.463 87.78,87.963 87.3,87.483 87.3,81.6 91.58,77.32 91.58,58.368 85.275,52.063 85.275,51.55 85.545,51.28 U9.14@85.545,50.45 85.545,49.23 86.125,48.65 92.113,48.65 92.895,49.432 92.895,53.905 92.725,54.075 92,54.075 91.756,53.831 91.756,53.444 R25.2@92,53.2 91.8,53 U9.9@91.8,51.425
  Bottom Layer w0.5: X5.3@87,86.156 87,87.683 88.025,88.708 v1(88.025,88.8)
FREF1: C72.2 R5.1 | length 1.7
  Top Layer w0.9: C72.2@116.525,88.5 118.225,88.5 R5.1@118.25,88.525
FREF2: "C72\".2" R6.1 | length 109.7
  Top Layer w0.965: 103.825,4.025 v2(104.675,4.025) ; R6.1@124.075,90.225 125.075,90.225 v2(125.1,90.2)
  Internal1 w0.345: v2(104.675,4.025) 104.675,3.35 104.775,3.25 122.325,3.25 122.425,3.35 122.425,10.1 122.525,10.2 124.425,10.2 124.525,10.3 124.525,90 124.725,90.2 v2(125.1,90.2)